# Altium PCB WIFI_HOME_SECURITY_SYS-V01.PcbDoc (part 2 of 3)
Units mil, origin at the board's own origin, x right, y up, seen from the top; angles counter-clockwise.
Board outline 3677.17 x 3783.46 mil, 4 copper layers (Top Layer, Int1 (GND), Int2 (PWR), Bottom Layer), stack 53.912 mil thick; 126 components, 88 nets, 455 pads, 131 vias.
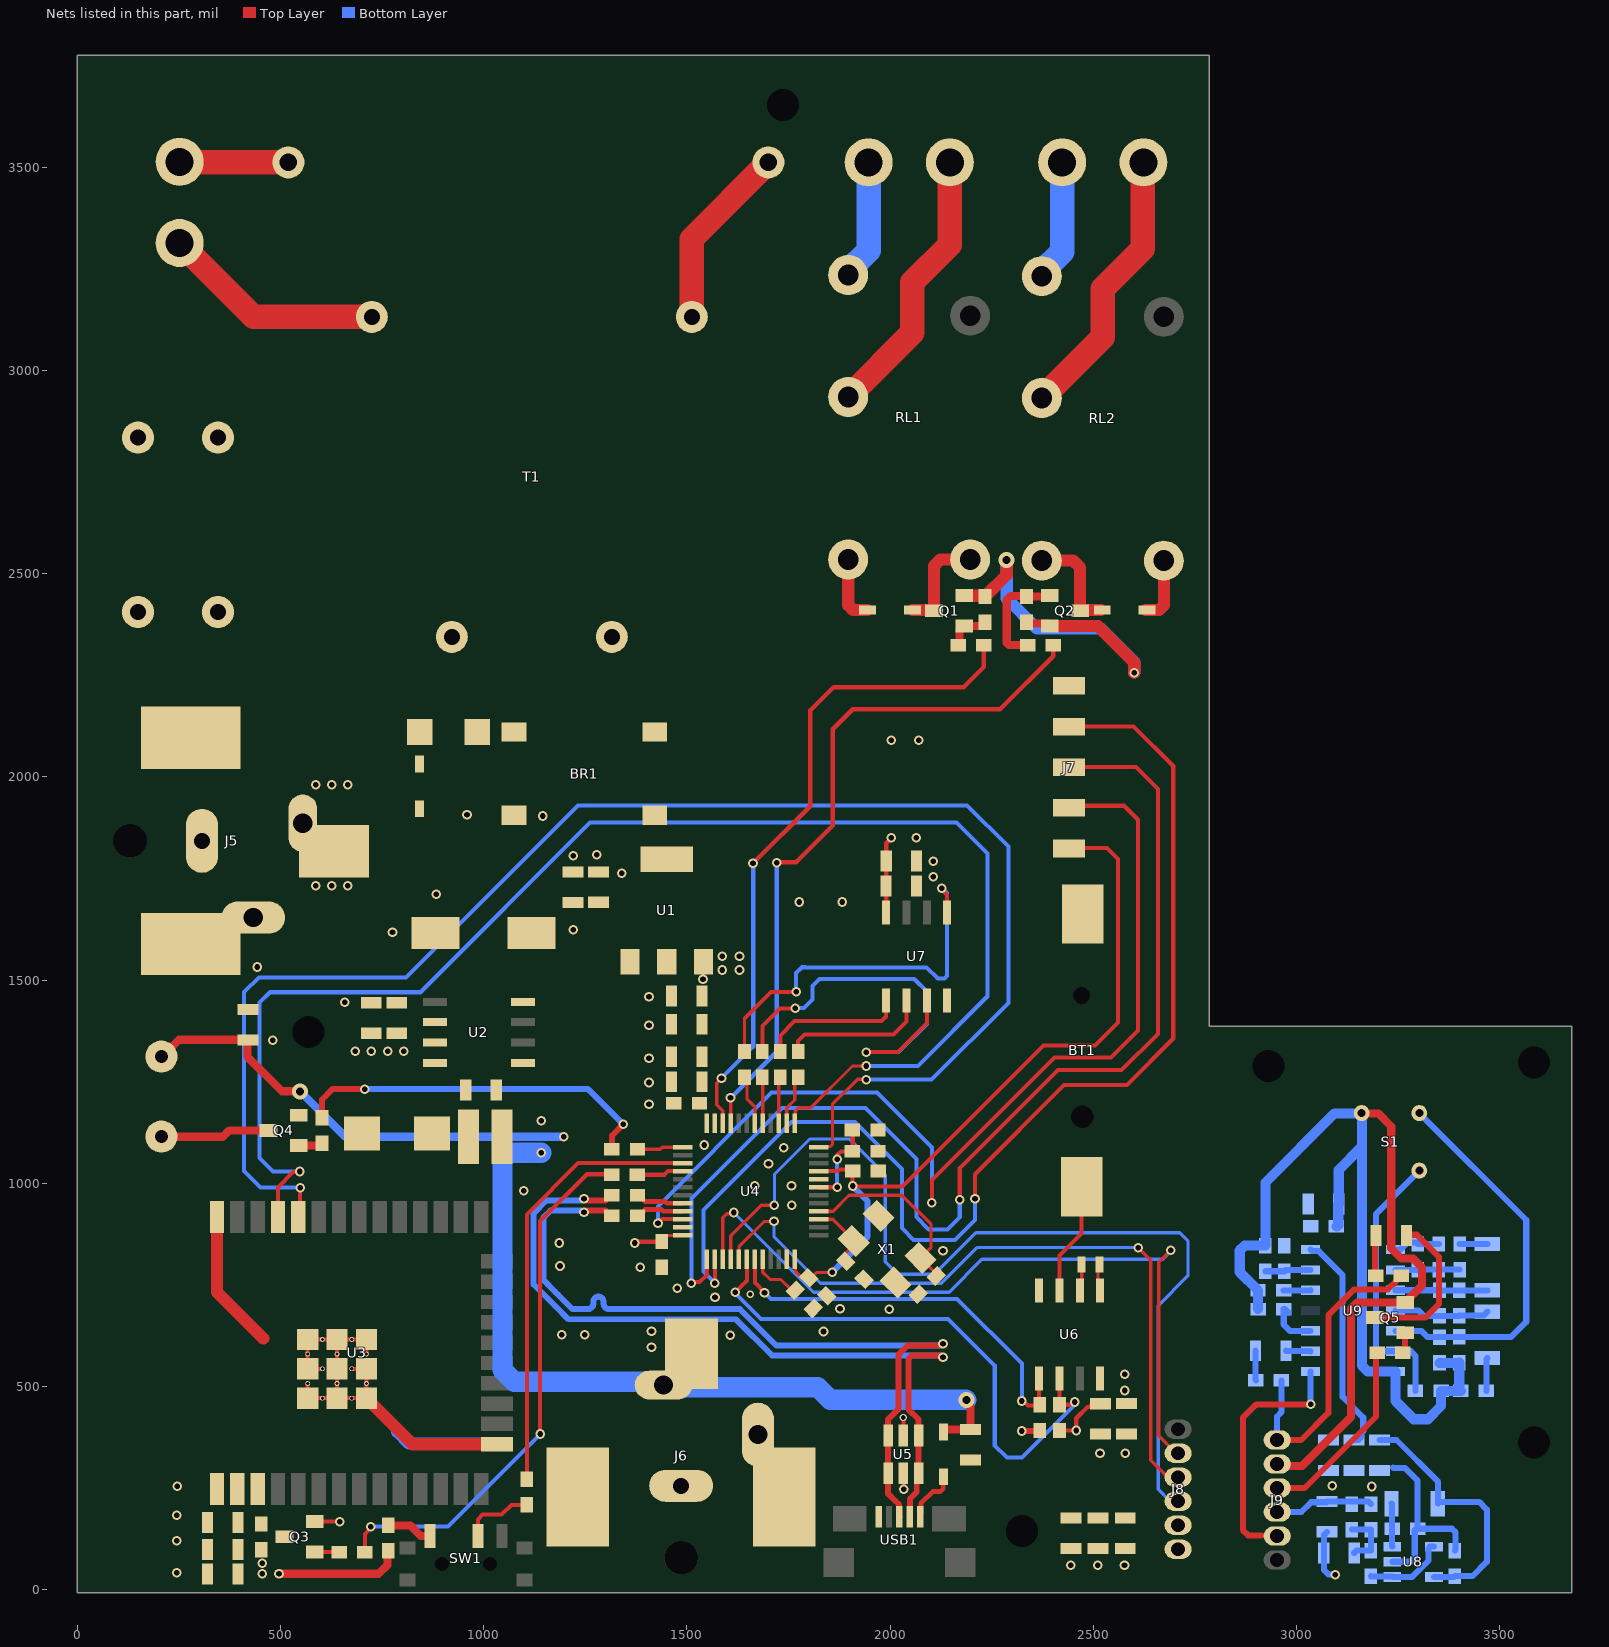
[diagram p4: the nets of this part, all layers, seen from the top]

## Part data (continued)
U9: library part NCS36000, "PIR Controller Low Noise Amplifiers and LDO Regulator 14-Pin SOIC N T/R", Case/Package=SOIC, Manufacturer="ON Semiconductor", Max Operating Temperature=85°C, Max Supply Voltage=5.75V, Min Operating Temperature=-40°C, Min Supply Voltage=3V, Operating Supply Current=50uA, Package Quantity=1, Quiescent Current=20uA, Supplier Part Number 1=NCS36000DRGOSCT-ND, Category="Amplifiers - Op Amps, Buffer, Instrumentation", ComponentLink1Description=https://datasheet.ciiva.com/1781/ncs36000-d-1781637.pdf?src-supplier=Digi-Key, ComponentLink1URL=https://datasheet.ciiva.com/1781/ncs36000-d-1781637.pdf?src-supplier=Digi-Key, ComponentLink2Description=https://datasheet.ciiva.com/4763/ncs36000-d-89569-4763639.pdf?src-supplier=Mouser, ComponentLink2URL=https://datasheet.ciiva.com/4763/ncs36000-d-89569-4763639.pdf?src-supplier=Mouser, ComponentLink3Description=https://datasheet.ciiva.com/1781/ncs36000-d-1781638.pdf?src-supplier=Digi-Key, ComponentLink3URL=https://datasheet.ciiva.com/1781/ncs36000-d-1781638.pdf?src-supplier=Digi-Key, ComponentLink4Description=https://datasheet.ciiva.com/1781/ncs36000-d-1781639.pdf?src-supplier=Digi-Key, ComponentLink4URL=https://datasheet.ciiva.com/1781/ncs36000-d-1781639.pdf?src-supplier=Digi-Key, ComponentLink5Description=https://datasheet.ciiva.com/26166/ncs36000-d-26166711.pdf?src-supplier=Avnet+Europe, ComponentLink5URL=https://datasheet.ciiva.com/26166/ncs36000-d-26166711.pdf?src-supplier=Avnet+Europe, ComponentLink6Description=https://datasheet.ciiva.com/2965/ncs36000-d-2965212.pdf?src-supplier=Avnet, ComponentLink6URL=https://datasheet.ciiva.com/2965/ncs36000-d-2965212.pdf?src-supplier=Avnet, ComponentLink7Description=https://datasheet.ciiva.com/2966/ncs36000-d-2966525.pdf?src-supplier=Avnet, ComponentLink7URL=https://datasheet.ciiva.com/2966/ncs36000-d-2966525.pdf?src-supplier=Avnet, Designed by=M.HamzaLimanlar, Halogen Free="Halogen Free", Height=1.5mm, Input Type=DIGITAL, Lead Free="Lead Free", Length=8.75mm, Manufacturer Part Number=NCS36000DRG, Number of Pins=14, Output Type=Digital, Packaging="Tape and Reel", Pricing 1="1=1,00000, 10=0,89400, 25=0,84880, 100=0,65180, 250=0,57600, 500=0,54568, 1000=0,42442 (USD)", Radiation Hardening=No, REACH SVHC="No SVHC", RoHS=Yes, RoHS Compliant=Yes, Series=-, Stock 1=36750, Supplier 1=Digi-Key, Width=4mm
USB1: library part "Micro B USB Connector", "CONN RCPT USB2.0 MICRO B SMD R/A", Color=Black, Current Rating=1.8A, Flammability Rating="UL94 V-0", Insulation Resistance=1GR, Manufacturer="Amphenol FCI", Max Operating Temperature=85°C, Max Voltage Rating (AC)=100V, Min Operating Temperature=-55°C, Package Quantity=1400, Supplier Part Number 1=609-4613-2-ND, Category="USB Connectors", ComponentLink1Description=https://datasheet.ciiva.com/26853/getdatasheetpartid-418041-26853891.pdf?src-supplier=Verical, ComponentLink1URL=https://datasheet.ciiva.com/26853/getdatasheetpartid-418041-26853891.pdf?src-supplier=Verical, ComponentLink2Description=https://datasheet.ciiva.com/851/10118192-851112.pdf?src-supplier=Digi-Key, ComponentLink2URL=https://datasheet.ciiva.com/851/10118192-851112.pdf?src-supplier=Digi-Key, ComponentLink3Description=https://datasheet.ciiva.com/4598/10118192ac-197249-4598796.pdf?src-supplier=Mouser, ComponentLink3URL=https://datasheet.ciiva.com/4598/10118192ac-197249-4598796.pdf?src-supplier=Mouser, Connector Type=USB,Receptacle, Contact Material="Copper Alloy", Contact Plating=Gold, Depth=5.57mm, Designed by=M.HamzaLimanlar, Features=Shielded, Gender=Receptacle, Housing Material=Polymer, Lead Free="Lead Free", Length=7.86mm, Manufacturer Part Number=10118192-0001LF, Mount="Surface Mount,Horizontal", Number of Contacts=5, Number of Ports=1, Number of Terminals/Pins=5, Orientation="Right Angle", Packaging="Tape and Reel", Pitch=0.65mm, Pricing 1="1400=0,22558, 2800=0,20624, 7000=0,19335, 9800=0,18046, 14000=0,17402, 35000=0,17144 (USD)", Radiation Hardening=No, REACH SVHC="No SVHC", RoHS=Yes, Stock 1=158200, Supplier 1=Digi-Key, Termination=Solder, USB Standard="USB 2.0", Voltage Rating=100V
X1: library part "CRYSTAL 16MHz", "CRYSTAL 16.0000MHZ 20PF SMD", Case/Package=SMD/SMT, ESR (Equivalent Series Resistance)=50R, Frequency=16MHz, Frequency Stability=50ppm, Frequency Tolerance=30ppm, Load Capacitance=20pF, Manufacturer="ECS International", Max Operating Temperature=70°C, Min Operating Temperature=-20°C, Package Quantity=1, Supplier Part Number 1=XC1120CT-ND, Category=Crystals, ComponentLink1Description=https://datasheet.ciiva.com/853/ecx-53b-853408.pdf?src-supplier=Digi-Key, ComponentLink1URL=https://datasheet.ciiva.com/853/ecx-53b-853408.pdf?src-supplier=Digi-Key, ComponentLink2Description=https://datasheet.ciiva.com/853/ecx-53b-853406.pdf?src-supplier=Digi-Key, ComponentLink2URL=https://datasheet.ciiva.com/853/ecx-53b-853406.pdf?src-supplier=Digi-Key, ComponentLink3Description=https://datasheet.ciiva.com/853/ecx-53b-853407.pdf?src-supplier=Digi-Key, ComponentLink3URL=https://datasheet.ciiva.com/853/ecx-53b-853407.pdf?src-supplier=Digi-Key, Designed by=M.HamzaLimanlar, Height=0.033inch, Lead Free="Lead Free", Length=0.197inch, Manufacturer Part Number=ECS-160-20-30B-TR, Mount="Surface Mount", Packaging="Tape and Reel", Pricing 1="1=1,33000, 10=1,26800, 50=1,23900, 100=1,06200, 500=1,03250 (USD)", RoHS=Yes, RoHS Compliant=Yes, Series=ECX-53B, Stock 1=15303, Supplier 1=Digi-Key, Termination=SMD/SMT, Tolerance=50ppm, Width=0.126inch
X2: library part "CRYSTAL 32768kHZ", "Crystal, 32.768 kHz, SMD, 1.6mm x 1mm, 12.5 pF, 20 ppm, ABS05 Series", Case/Package=SMD/SMT, ESR (Equivalent Series Resistance)=90kR, Frequency=32.768kHz, Frequency Tolerance=20ppm, Load Capacitance=12.5pF, Manufacturer=Abracon, Max Operating Temperature=85°C, Min Operating Temperature=-40°C, Operating Frequency="32.768 kHz", Package Quantity=3000, Supplier Part Number 1=535-11899-1-ND, Category=Crystals, ComponentLink1Description=https://datasheet.ciiva.com/23810/abs05-23810480.pdf?src-supplier=Newark, ComponentLink1URL=https://datasheet.ciiva.com/23810/abs05-23810480.pdf?src-supplier=Newark, ComponentLink2Description=https://datasheet.ciiva.com/6728/abs05-6728949.pdf?src-supplier=Digi-Key, ComponentLink2URL=https://datasheet.ciiva.com/6728/abs05-6728949.pdf?src-supplier=Digi-Key, ComponentLink3Description=https://datasheet.ciiva.com/6728/abs05-6728950.pdf?src-supplier=Digi-Key, ComponentLink3URL=https://datasheet.ciiva.com/6728/abs05-6728950.pdf?src-supplier=Digi-Key, ComponentLink4Description=https://datasheet.ciiva.com/16411/abs05-16411149.pdf?src-supplier=Future+Electronics, ComponentLink4URL=https://datasheet.ciiva.com/16411/abs05-16411149.pdf?src-supplier=Future+Electronics, Depth=1mm, Designed by=M.HamzaLimanlar, Height=0.02inch, Lead Free="Lead Free", Length=1.6mm, Manufacturer Part Number=ABS05-32.768KHZ-T, Mount="Surface Mount", Number of Pins=2, Packaging="Tape and Reel", Pricing 1="1=1,16000, 10=1,02500, 50=0,95760, 100=0,84630, 500=0,80180, 1000=0,66816 (USD)", Radiation Hardening=No, REACH SVHC="No SVHC", RoHS=Yes, RoHS Compliant=Yes, Series=ABS05, Series Resistance=90kR, Stock 1=180522, Supplier 1=Digi-Key, Termination=SMD/SMT, Tolerance=20ppm, Width=0.039inch

## Free pads (board coordinates)
  round 60 hole 78.74 unplated: ""(569.69,1372.24) ""(1737.2,3652.95) ""(2324.8,143.7) ""(2930.91,1288.98) ""(3584.84,361.61) ""(3584.84,1297.24)

## Via types
v1: diameter 23.62, hole 13.78, Top Layer to Bottom Layer, tented both sides, 125 vias
v2: diameter 39.37, hole 19.68, Top Layer to Bottom Layer, tented both sides, 3 vias
v3: diameter 17.72, hole 11.81, Top Layer to Bottom Layer, tented both sides, 2 vias
v4: diameter 23.62, hole 13.78, Top Layer to Bottom Layer, tented top, 1 vias

## Nets (pads, with @x,y where several pads share a name; then routed paths per layer and width w, separated by ;. In a path a pad name is that pad's centre, name@x,y a point inside that pad or via, vN(x,y) a via of type N, cw(c..) or ccw(c..) an arc to the next point about the centre after c; other vN are vias at no path point)
3V3DC: C3.2 C4.2 C10.2 C11.2 C13.2 C15.2 C17.2 C20.2 C21.2 C22.2 C24.2 C25.2 C26.2 C27.2 C28.2 C29.2 C30.2 C31.2 J7.1 J8.1 R9.1 R15.1 R16.1 R17.1 U1.3 U3.2 U4.9 U4.24 U4.36 U4.48 U5.5 U6.8 U7.8 | length 2725.9
  Top Layer w8: C25.2@1437.99,856.5 1437.99,859.96 1449.49,871.46 1489.57,871.46 U4.36@1490.16,872.05 ; U4.48@1765.75,812.99 1767.32,811.42 1767.32,783.46 1783.51,767.27 C26.2@1799.73,767.27 ; C26.2@1802.07,764.8 1803.66,764.8 1819.06,780.2 1856.58,780.2 v1(1857.68,781.3)
  Top Layer w10: U4.9@1824.8,1029.53 1872.05,1029.53 1875.98,1033.46 1904.33,1033.46 C27.2@1907.87,1029.92 ; C27.2@1905.7,1027.75 1907.87,1025.58 v1(1907.87,993.01) ; v1@1907.87,988.98 v1(1907.87,993.01) ; R16.1@2420.67,391.54 v1(2458.27,391.54) 2458.27,421.63 2485.73,449.09 2489.99,449.09 2498.3,457.4 C29.2@2518,457.4 ; J7.1@2440.94,1823.62 2442.32,1825 2533.66,1825 2561.22,1797.44 2561.22,1395.08 2504.92,1338.78 2377.56,1338.78 2031.1,992.32 1908.56,992.32 v1(1907.87,993.01)
  Top Layer w11: v1(1371.65,852.95) 1375.2,856.5 C25.2@1437.99,856.5 ; U7.8@1990.55,1666.14 1990.55,1731.1 C30.2@1990.35,1731.3 1990.35,1792.32 C28.2@1990.55,1792.52 1990.55,1836.81 v1(2003.35,1849.61) ; U5.5@2032.87,286.42 2033.26,286.03 2033.26,247.52 v1(2033.64,247.14)
  Top Layer w15: v1@2328.89,390.01 2367.12,390.01 R17.1@2368.11,391
  Top Layer w20: v1(496.46,38.98) 741.54,38.98 763.13,60.57 763.13,92.65 R15.1@765.55,95.07
  Bottom Layer w15: v1(1857.68,781.3) 1945.08,868.7 1945.08,955.8 v1(1907.87,993.01)
  other v1: 455.51,38.98 2445,60 2511,60 2577,60 455.51,64.57 2324.61,390.26 2578,490 2578,530 1539.86,1501.57 1587.6,1524.61 1629.72,1524.61 1587.6,1558.46 1629.72,1558.46
3V3DC_S: C40.2 C42.2 C43.2 C44.2 C45.2 C46.2 J9.1 R34.2 R35.2 R37.2 RT1.2 U8.5 U9.14 | length 1958.6
  Top Layer w15: J9.1@2952.76,368.11 3011.79,368.11 3078.88,435.2 3078.88,674.76 3142.71,738.58 3224.81,738.58 3246.57,760.35 3246.57,763.85 3254.57,771.85 R37.2@3258.07,771.85
  Bottom Layer w15: J9.1@2952.76,368.11 2952.36,368.5 2952.36,425.98 2963.19,436.82 R34.2@2963.19,514.96 ; U9.14@3034.65,836.61 3038.56,832.7 3055.06,832.7 3113.78,773.98 3113.78,474.02 3164.39,423.41 3164.39,390.76 3159.08,385.46 3159.08,374.39 3152.8,368.11 C45.2@3141.73,368.11 ; C46.2@3204.72,368.11 3246.26,368.11 3348.23,266.14 RT1.2@3348.23,211.42 3352.58,215.77 3449.78,215.77 3468.5,197.05 3468.5,68.31 3433.26,33.07 C40.2@3389.76,33.07 3387.8,31.1 U8.5@3338.58,31.1
5VDC: BZ1.2 C1.2 C2.2 C7.2 C14.1 C23.2 D3.1 J6.1 L1.2 U1.1 U2.4 | length 3090.6
  Top Layer w20: BZ1.2@207.28,1311.61 209.59,1311.61 250.93,1352.95 420.08,1352.95 C23.2@420.47,1352.56 420.47,1349.96 419.29,1348.78 419.29,1311.02 504.13,1226.18 v2(548.62,1226.18) ; D3.1@2131.3,387.8 2131.3,392.87 2132.13,393.7 C7.2@2198.23,393.7 2198.23,451.06 2187.89,461.39 v2(2187.89,466.63)
  Bottom Layer w20: v2(548.62,1226.18) 660.63,1114.17 v1(1196.85,1114.17)
  Bottom Layer w50: v1(1141.73,1074.8) 1046.89,1074.8 1046.46,1074.37 1046.46,541.1 1075.75,511.81 1442.75,511.81 J6.1@1451.19,503.37 ; J6.1@1442.75,503.37 1446.74,499.37 1496.93,499.37 1498.08,498.23 1821.97,498.23 1852.88,467.32 2187.2,467.32 v2(2187.89,466.63)
  other v1: 1141.73,1153.54
12VDC: C8.2 C9.2 D1.1 D2.1 D7.1 J5.1 RL1.5 RL2.4 U2.7 | length 324.9
  Top Layer w30: RL1.5@1897.24,2534.63 1897.24,2422.28 1908.96,2410.57 1944.73,2410.57 D1.1@1944.88,2410.41 ; D2.1@2628.74,2410.43 2662.3,2410.43 2674.02,2422.15 2674.02,2531.5 RL2.4@2673.62,2531.89
  other v1: 684.65,1324.21 724.02,1324.21 763.98,1324.21 803.35,1324.21 586.61,1732.28 625.98,1732.28 665.35,1732.28 586.61,1980.32 625.98,1980.32 665.35,1980.32
AC_LINE_1: J2.1 R2.1 | length 268.4
  Top Layer w60: J2.1@251.97,3513.39 252.76,3512.6 518.9,3512.6 R2.1@519.69,3511.81
AC_LINE_2: J2.2 T1.5 | length 548.3
  Top Layer w60: J2.2@251.97,3313.39 433.77,3131.58 T1.5@724.92,3131.58
BUZZER: R12.2 R13.1 | length 905.4
  Top Layer w15: R13.1@602.36,1161.42 602.36,1205.86 628,1231.5 v1(707.68,1231.5) ; R12.2@1315.74,1083.46 1316.14,1083.86 1316.14,1117.33 1343.7,1144.89 v1(1343.7,1145.08)
  Bottom Layer w15: v1(707.68,1231.5) 1257.28,1231.5 v1(1343.7,1145.08)
GND: BR1.4 BT1.2 C1.1 C2.1 C3.1 C4.1 C5.2 C6.2 C7.1 C8.1 C9.1 C10.1 C11.1 C13.1 C14.2 C15.1 C16.1 C17.1 C18.1 C19.2 C20.1 C21.1 C22.1 C23.1 C24.1 C25.1 C26.1 C27.1 C28.1 C29.1 C30.1 C31.1 D4.A J5.2 J5.3 J6.2 J6.3 J7.5 J8.2 Q1.2 Q2.2 Q3.2 Q4.2 R3.1 R5.1 R6.1 R7.1 U1.2 U2.6 U3.1 U3.15 U3.38 U3.39 U4.8 U4.23 U4.35 U4.47 U5.2 U6.4 U7.4 USB1.5 X1.2 X1.4 | length 2758.7
  Top Layer w10: U3.39@567.13,507.19 U3.39@567.13,471.06 U3.39@603.25,471.06 U3.39@639.37,471.06 ; Q3.2@584.45,167.32 646.06,167.32 v1(646.46,166.93) ; U3.39@603.25,543.31 U3.39@567.13,543.31 U3.39@567.13,579.43 U3.39@567.13,615.55 U3.39@603.25,615.55 U3.39@639.37,615.55 ; U3.39@675.49,543.31 U3.39@711.61,543.31 U3.39@711.61,507.19 U3.39@711.61,471.06 U3.39@675.49,471.06 U3.39@639.37,471.06 ; U3.39@711.61,579.43 U3.39@711.61,615.55 U3.39@675.49,615.55 U3.39@639.37,615.55 ; v3(2032.63,423.28) 2032.75,423.15 2032.75,379.06 U5.2@2032.87,378.94 ; U3.39@639.37,471.06 U3.39@639.37,507.19 U3.39@639.37,543.31 U3.39@639.37,579.43 U3.39@639.37,615.55
  Top Layer w20: R5.1@2335.97,2380.66 2339.66,2376.97 2387.7,2376.97 Q2.2@2393.3,2371.37
  Top Layer w30: U3.38@344.09,917.32 344.09,731.5 457.78,617.81 ; U3.39@711.61,471.06 722.8,459.88 825,357.68 U3.15@1033.46,357.68 ; Q1.2@2182.76,2446.17 2183.51,2445.43 2233.26,2445.43 2233.76,2444.93 R3.1@2233.76,2443.66 2287.2,2497.1 v2(2287.2,2533.46) ; Q2.2@2393.3,2371.37 2436.6,2371.37 2436.94,2371.03 2511.46,2371.03 2601.18,2281.3 v1(2601.18,2256.5)
  Bottom Layer w30: 787.56,388.46 816.57,359.45 994.69,359.45 ; v2(2287.2,2533.46) 2287.2,2439.37 2362.01,2364.57 2519.29,2364.57 2601.18,2282.68 v1(2601.18,2256.5)
  other v1: 244.73,41.73 244.73,119.93 244.73,183.16 246.46,253.94 2516.73,335.04 2578.74,335.04 1413.19,596.06 1607.09,626.18 1191.93,626.97 1248.43,626.97 1836.42,635.04 1413.19,636.02 1998.23,689.76 1876.97,691.14 1569.29,718.9 1476.57,741.54 1385.24,792.72 1187.99,796.26 2130.32,834.25 1186.61,852.95 1758.07,945.47 1098.62,981.5 1667.32,993.9 1757.68,993.9 1700.98,1047.44 1738.39,1087.4 1543.31,1093.9 1406.89,1194.68 1406.89,1247.83 1406.89,1307.09 481.5,1351.97 1406.89,1388.39 658.07,1445.28 1406.89,1458.46 443.31,1531.89 775.79,1617.13 1220.28,1623.43 1776.46,1691.98 1882.68,1691.93 883.46,1710.63 2106.69,1754.53 1339.76,1762.99 2106.69,1792.52 1221.06,1805.91 1278.54,1808.07 2064.37,1849.61 1145.67,1903.54 959.25,1906.3 2003.35,2089.76 2070.28,2089.76
  other v3: 1655.91,726.57
GND_S: C35.1 C37.1 C38.1 C39.1 C40.1 C41.1 C42.1 C43.1 C44.1 C45.1 C46.1 J9.2 Q5.2 R23.1 R24.1 R29.1 R32.1 R33.1 S1.3 U8.2 U9.7 | length 3872.6
  Top Layer w20: J9.2@2952.76,309.06 2957.01,304.8 2982.58,304.8 2982.86,304.53 3014.08,304.53 3134.36,424.8 3134.36,692.05 3149,706.69 Q5.2@3267.52,706.69 3309.06,748.23 3309.06,792.72 3286.62,815.15 3257.86,815.15 3233.36,839.65 3233.36,1139.48 3201.77,1171.06 3167.45,1171.06 S1.3@3162.36,1176.15
  Bottom Layer w15: C39.1@3075.39,142.13 3067.52,134.25 C37.1@3067.52,90.16 3067.52,48.82 3079.33,37.01 v1(3095.67,37.01) ; U8.2@3236.22,68.5 3282.35,68.5 3291.14,77.29 3291.14,146.02 3294.93,149.8 R24.1@3298.43,149.8 ; 3237.8,300 3238.46,299.33 3267.01,299.33 3298.43,267.91 R24.1@3298.43,149.8 ; C40.1@3389.76,96.07 3391.54,97.84 3391.54,141.02 3382.75,149.8 R24.1@3298.43,149.8
  Bottom Layer w25: R32.1@2905.9,690.16 2905.7,690.35 2905.7,736.02 R33.1@2905.51,736.22 2860.63,781.1 2860.63,834.74 2872.35,846.46 C41.1@2923.82,846.46 2923.82,1001.77 3093.9,1171.85 S1.3@3160.63,1171.85 ; C42.1@3098.43,893.7 3099.85,893.7 3102.85,896.7 3102.85,947.74 C43.1@3104.13,949.02 3104.13,1032.48 3161.02,1089.37 ; S1.3@3161.02,1171.85 3161.02,1089.37 ; C38.1@3352.17,557.87 3399.8,557.87 R29.1@3400.59,558.66 3400.59,491.98 R23.1@3403.59,488.98 ; R23.1@3404.52,488.98 R23.1@3403.59,488.98 ; 3161.02,1089.37 3161.02,551.26 3175.67,536.61 U9.7@3244.09,536.61 3244.09,463.78 3288.58,419.29 3323.62,419.29 3355.91,451.58 C35.1@3355.91,488.98 R23.1@3403.59,488.98
  other v1: 3185.63,253.74 3087.8,255.91
LED_DRIVER: J8.3 U4.40 | length 2354.7
  Top Layer w8: U4.40@1608.27,812.99 1608.27,870.47 1683.27,945.47 v1@1710.63,945.47
  Bottom Layer w8: v1(1715.55,945.47) 1715.55,1021.46 1803.15,1109.06 1899.61,1109.06 1988.19,1020.47 1988.19,806.5 2018.5,776.18 2109.25,776.18 2211.42,878.35 2712.8,878.35 2733.07,858.07 2733.07,772.05 2660,698.98 2660,246.89 2687.57,219.32 J8.3@2727.2,219.32
LED_S: J9.3 R36.1 | length 474.2
  Top Layer w15: J9.3@2952.76,250 3020.28,250 3196.26,425.98 3196.26,580.12 R36.1@3198.82,582.68
LIGHT_1_GND: J3.2 RL1.3 | length 297.9
  Bottom Layer w60: RL1.3@1897.24,3234.63 1897.24,3245.03 1947.24,3295.03 J3.2@1947.24,3511.81
LIGHT_1_VCC: J3.1 RL1.2 | length 680.7
  Top Layer w60: RL1.2@1897.24,2934.63 2055.12,3092.51 2055.12,3216.54 2147.24,3308.66 J3.1@2147.24,3511.81
LIGHT_2_GND: J4.2 RL2.3 | length 300.6
  Bottom Layer w60: RL2.3@2373.62,3231.89 2373.62,3242.29 2423.62,3292.29 J4.2@2423.62,3511.81
LIGHT_2_VCC: J4.1 RL2.2 | length 683.5
  Top Layer w60: RL2.2@2373.62,2931.89 2523.62,3081.89 2523.62,3200.79 2622.05,3299.21 2622.05,3510.24 J4.1@2623.62,3511.81
MCU_RLY_1: R1.1 U4.22 | length 1641.9
  Top Layer w8: v1(1585.43,1258.66) 1585.43,1257.62 1573.82,1246.01 1573.82,1227.7 1573.82,1193.31 1588.58,1178.54 U4.22@1588.58,1147.64
  Top Layer w11: v1(1662.97,1787.03) 1803.74,1927.79 1803.74,2163.19 1861.02,2220.47 2180.91,2220.47 2230.84,2270.41 R1.1@2230.84,2323.87
  Bottom Layer w11: v1(1585.43,1258.66) 1662.97,1336.2 v1(1662.97,1787.03)
MCU_RLY_2: R4.1 U4.21 | length 1743.9
  Top Layer w8: v1@1607.87,1209.84 1608.07,1209.65 1608.07,1147.83 U4.21@1608.27,1147.64
  Top Layer w11: v1@1721.46,1789.57 1768.9,1789.57 1859.45,1880.12 1859.45,2116.73 1908.66,2165.94 2270.87,2165.94 2401.58,2296.66 R4.1@2401.58,2323.87
  Bottom Layer w11: v1@1607.87,1209.84 1721.46,1323.43 v1(1721.46,1788.39)
  other v1: 1607.59,1209.78
MCU_USB_N: R10.1 U4.32 | length 119.4
  Top Layer w12: R10.1@1378.74,970 1382.24,970 1397.4,954.84 1446.48,954.84 1450.54,950.79 U4.32@1490.16,950.79
MCU_USB_P: R11.1 U4.33 | length 119.4
  Top Layer w12: R11.1@1378.74,920 1382.24,920 1397.4,935.16 1438.33,935.16 1442.38,931.1 U4.33@1490.16,931.1
NetBR1_1: BR1.1 T1.9
NetBR1_2: BR1.2 T1.7
NetBR1_3: BR1.3 F1.2 | length 0.3
  Top Layer w45: F1.2@984.25,2110.24 F1.2@984.35,2110.33 ; BR1.3@1074.7,2110.33 BR1.3@1074.8,2110.43
NetBT1_1: BT1.1 U6.3 | length 277.7
  Top Layer w10: U6.3@2417,736.27 2417,822.51 2471.26,876.77 2471.26,991.11 BT1.1@2471.52,991.37
NetBZ1_1: BZ1.1 Q4.3 | length 270.2
  Top Layer w20: BZ1.1@207.28,1114.76 207.87,1114.17 358.27,1114.17 374.02,1129.92 Q4.3@470.67,1129.92
NetC5_1: C5.1 C6.1 D7.2 F1.1
NetC12_1: C12.1 U2.1
NetC12_2: C12.2 D4.C L1.1 U2.8
NetC18_2: C18.2 U4.3 X1.3 | length 153.7
  Top Layer w8: U4.3@1824.8,911.42 1824.99,911.23 1858.85,911.23 X1.3@1905.87,864.21 ; C18.2@1886.73,823.27 1906.73,843.28 1906.73,862.34 X1.3@1910.79,858.28
NetC19_1: C19.1 U4.4 X1.1 | length 476
  Top Layer w8: U4.4@1824.8,931.1 1860.04,931.1 1899.13,970.2 2029.41,970.2 2100.98,898.62 2100.98,842.47 X1.1@2075.04,816.52 2114.06,777.5 C19.1@2114.06,771.55
NetC32_1: C32.1 C33.2 R25.1 U9.4 | length 236
  Bottom Layer w15: U9.4@3244.09,686.61 3300.59,686.61 3314.17,673.03 3399.54,673.03 R25.1@3400.58,674.08 3460.01,674.08 C33.2@3469.95,684.03
NetC32_2: C32.2 C34.2 R25.2 U9.3 | length 226.1
  Bottom Layer w15: U9.3@3244.09,736.61 3351.9,736.61 C32.2@3352.06,736.46 3469.84,736.46 C34.2@3470.05,736.24
NetC33_1: C33.1 R23.2 | length 81.9
  Bottom Layer w15: R23.2@3467.52,488.98 3467.52,567.42 C33.1@3469.95,569.85
NetC34_1: C34.1 R26.2 | length 68.5
  Bottom Layer w15: R26.2@3401.57,850.4 C34.1@3470.05,850.42
NetC35_2: C35.2 S1.1 U9.6 | length 671
  Bottom Layer w15: C35.2@3292.91,488.98 3292.91,575.2 3281.5,586.61 3204.85,586.61 3196.06,595.4 3196.06,924.61 S1.1@3302.36,1030.91
NetC36_1: C36.1 R27.1 U9.1 | length 114.9
  Bottom Layer w15: U9.1@3244.09,836.61 3255.91,836.61 3273.23,853.94 3295.13,853.94 C36.1@3298.67,850.4 R27.1@3350.39,850.4
NetC36_2: C36.2 R26.1 R27.2 U9.2 | length 157.8
  Bottom Layer w15: U9.2@3244.09,786.61 3297.88,786.61 C36.2@3298.67,787.4 R27.2@3350.39,787.4 R26.1@3401.57,787.4
NetC37_2: C37.2 R28.2 R30.1 R31.1 | length 142.2
  Bottom Layer w15: R30.1@3136.42,147.44 R31.1@3183.66,147.44 3183.07,146.85 R28.2@3183.07,95.87 3148.04,95.87 C37.2@3142.32,90.16
NetC38_2: C38.2 R29.2 S1.2 U9.5 | length 965.9
  Bottom Layer w15: U9.5@3244.09,636.61 3307.48,636.61 3322.44,621.65 3528.35,621.65 3565.55,658.86 3565.55,909.45 S1.2@3302.36,1172.64
NetC41_2: C41.2 R35.1 U9.13 | length 112.3
  Bottom Layer w15: C41.2@2923.82,783.46 2970.08,783.46 R35.1@2970.28,783.26 2973.63,786.61 U9.13@3034.65,786.61
NetD1_2: D1.2 Q1.3 RL1.4 | length 259.8
  Top Layer w30: D1.2@2055.12,2410.41 2106.72,2410.41 Q1.3@2108.36,2408.77 2108.36,2518.99 2124.41,2535.04 2196.84,2535.04 RL1.4@2197.24,2534.63
NetD2_2: D2.2 Q2.3 RL2.5 | length 259.5
  Top Layer w30: RL2.5@2373.62,2531.89 2374.21,2532.48 2450.59,2532.48 2467.71,2515.36 Q2.3@2467.71,2408.77 2468.46,2409.52 2484.64,2409.52 2485.56,2410.43 D2.2@2518.5,2410.43
NetD3_2: D3.2 USB1.1 | length 133.1
  Top Layer w12: USB1.1@2073.82,186 2076.09,188.27 2076.09,212.11 2105.09,241.12 2123.88,241.12 2130.91,248.15 D3.2@2130.91,284.42
NetD5_1: D5.1 U9.9 | length 60.7
  Bottom Layer w15: D5.1@2974.41,587.8 2975.39,586.81 3034.45,586.81 U9.9@3034.65,586.61
NetD5_2: D5.2 R34.1 | length 73.1
  Bottom Layer w15: D5.2@2899.61,587.8 2899.61,515.55 R34.1@2900.19,514.96
NetD6_1: D6.1 Q5.3 | length 392.4
  Top Layer w15: Q5.3@3193.11,669.29 3317.32,669.29 3350.39,702.36 3350.39,818.9 3296.19,873.1 3270.54,873.1 D6.1@3268.7,871.26
NetD6_2: D6.2 R37.1 | length 99.4
  Top Layer w15: R37.1@3193.31,771.85 D6.2@3193.31,871.26
NetQ1_1: Q1.1 R1.2 R3.2 | length 110.4
  Top Layer w20: R1.2@2167.84,2323.87 2171.26,2327.29 2171.26,2363.12 2179.51,2371.37 2224.48,2371.37 R3.2@2233.76,2380.66
NetQ2_1: Q2.1 R4.2 R5.2 | length 270.6
  Top Layer w20: R4.2@2338.58,2323.87 2293.26,2323.87 2287.4,2329.73 2287.4,2435.63 2296.46,2444.68 2334.95,2444.68 R5.2@2335.97,2443.66 2390.78,2443.66 Q2.1@2393.3,2446.17
NetQ3_1: Q3.1 R8.2 | length 60.8
  Top Layer w10: Q3.1@584.45,92.52 643.89,92.52 R8.2@644.88,91.54
NetQ4_1: Q4.1 R13.2 | length 59.7
  Top Layer w20: Q4.1@545.08,1092.52 596.46,1092.52 R13.2@602.36,1098.42
NetQ5_1: Q5.1 R36.2 | length 51.6
  Top Layer w15: R36.2@3261.82,582.68 3267.52,588.38 Q5.1@3267.52,631.89
NetR2_2: R2.2 T1.1 | length 458.3
  Top Layer w60: T1.1@1512.32,3131.58 1512.32,3323.35 R2.2@1700.79,3511.81
NetR7_2: R7.2 U4.44 | length 130.2
  Top Layer w8: U4.44@1687.01,812.99 1687.01,780.99 1705,763 1731.69,763 1758.41,736.27 R7.2@1766.73,736.27
NetR12_1: R12.1 U4.25 | length 111.9
  Top Layer w8: R12.1@1380.42,1083.46 1434.84,1083.46 1439.96,1088.58 U4.25@1490.16,1088.58
NetR14_1: R14.1 U4.28 | length 115.4
  Top Layer w10: R14.1@1378.35,1020.87 1445.28,1020.87 1453.94,1029.53 U4.28@1490.16,1029.53
NetR15_2: R15.2 SW1.1 | length 113.4
  Top Layer w20: R15.2@765.55,158.07 765.95,157.68 819.69,157.68 845.47,131.89 SW1.1@868.11,131.89
NetR18_1: R18.1 SW1.2 | length 176
  Top Layer w10: SW1.2@986.22,131.89 986.22,173.03 997.83,184.65 1044.49,184.65 1068.5,208.66 R18.1@1106.3,208.66
NetR19_1: R19.1 U7.1 | length 358.7
  Top Layer w10: R19.1@1730.32,1324.02 1730.32,1363.78 1765.16,1398.62 1979.13,1398.62 1990.16,1409.65 1990.16,1449.21 U7.1@1990.55,1449.61
NetR20_1: R20.1 U7.3 | length 1036.5
  Top Layer w10: R20.1@1686.02,1324.02 1686.02,1387.2 1685.93,1387.3 1728.87,1430.25 1766.47,1430.25 v1(1767.13,1430.91) ; v1(1941.93,1322.64) 2019.49,1322.64 2090.55,1393.7 U7.3@2090.55,1449.61
  Bottom Layer w10: v1(1767.13,1430.91) 1788.39,1430.91 1809.69,1452.21 1809.69,1485.28 1826.57,1502.17 2059.65,1502.17 2090.55,1471.26 2090.55,1391.93 2021.26,1322.64 v1@1943.7,1322.64
NetR21_1: R21.1 U7.2 | length 364.4
  Top Layer w10: R21.1@1774.02,1324.02 1774.02,1349.61 1790.16,1365.75 2009.06,1365.75 2040.75,1397.44 2040.75,1449.41 U7.2@2040.55,1449.61
NetR22_1: R22.1 U7.5 | length 959.2
  Top Layer w8: R22.1@1641.93,1324.02 1641.93,1405.51 1643.22,1406.8
  Top Layer w10: 1643.22,1406.8 1707.05,1470.63 1768.06,1470.63 v1@1768.5,1471.07 ; v1(2127.76,1725.98) 2127.76,1722.3 2140.55,1709.5 U7.5@2140.55,1666.14
  Bottom Layer w10: v1@1768.5,1471.07 1768.5,1516.73 1783.16,1531.39 1791.45,1531.39 1791.73,1531.1 2090.16,1531.1 2117.52,1503.74 2134.3,1503.74 2140.16,1509.6 2140.16,1713.58 v1(2127.76,1725.98)
  other v1: 1769.39,1471.05
NetR24_2: R24.2 RT1.1 U8.3 | length 106.4
  Bottom Layer w15: RT1.1@3234.06,211.42 3235.43,210.04 R24.2@3235.43,149.8 3235.43,106.7 U8.3@3236.22,105.91
NetR28_1: R28.1 U8.1 U8.4 | length 204.8
  Bottom Layer w15: R28.1@3183.07,32.87 3184.05,31.89 3235.43,31.89 U8.1@3236.22,31.1 3284.61,31.1 3325.1,71.59 3325.1,101.59 3329.42,105.91 U8.4@3338.58,105.91
NetR32_2: R32.2 U9.10 | length 125.1
  Bottom Layer w15: R32.2@2980.4,682.16 2972.4,690.16 R32.2@2968.9,690.16 2968.9,651.96 2984.06,636.81 3034.45,636.81 U9.10@3034.65,636.61
NetR33_2: R33.2 U9.12 | length 66.3
  Bottom Layer w15: R33.2@2968.51,736.22 3034.25,736.22 U9.12@3034.65,736.61
NetU6_1: U6.1 X2.2 | length 66.8
  Top Layer w8: X2.2@2514.96,799.61 2511.81,796.46 2511.81,741.46 U6.1@2517,736.27
NetU6_2: U6.2 X2.1 | length 65.6
  Top Layer w8: U6.2@2467,736.27 2472.05,741.31 2472.05,799.21 X2.1@2471.65,799.61
NRST: C16.2 R6.2 U4.7 | length 218.8
  Top Layer w10: U4.7@1824.8,990.16 1824.96,990 1869.96,990 v1(1870,990.04) ; v4(1869.88,1059.06) 1869.88,1068.92 1879.36,1078.4 1907.06,1078.4 1908.33,1079.67 1908.33,1130.17 R6.2@1907.5,1131
  Bottom Layer w10: v4(1869.88,1059.06) 1869.94,1058.99 1869.94,990.1 v1(1870,990.04)
PIR_DETECT: J9.5 U9.8 | length 588.9
  Top Layer w15: 2914.37,133.46 2881.5,133.46 2868.5,146.46 2868.5,423.03 2901.33,455.85 v1(3035.04,455.85)
  Bottom Layer w15: U9.8@3034.65,536.61 3035.04,536.22 v1(3035.04,455.85)
PIR_DETECTOR: J8.5 U4.39 | length 1868.3
  Top Layer w8: U4.39@1588.58,812.99 1588.58,914.96 1598.59,924.96 1612.76,924.96 v1(1615.75,927.95) ; v1(2690.94,834.87) 2661.45,805.38 2661.45,379.01 2704.93,335.54 J8.5@2708.92,335.54
  Bottom Layer w8: v1(1615.75,927.95) 1811.81,731.89 2145.28,731.89 2226.18,812.8 2670.87,812.8 2690.94,832.87 v1(2690.94,834.87)
RTC_SCL: R16.2 U4.42 U6.6 | length 1385.4
  Top Layer w10: v1(1618.9,731.3) 1647.64,760.04 U4.42@1647.64,812.99 ; U6.6@2417,519.73 2417,458.2 R16.2@2420.67,454.53 ; R16.2@2417.13,454.53 R16.2@2420.67,454.53 ; v1(2454.12,461.73) 2450.43,461.73 2443.62,454.92 2421.06,454.92 R16.2@2420.67,454.53
  Bottom Layer w10: v1@1614.82,733.41 1682.48,665.75 2143.11,665.75 2257.68,551.18 2257.68,354.53 2287.6,324.61 2324.61,324.61 2451.51,451.51 2451.51,459.13 v1(2454.12,461.73)
RTC_SDA: R17.2 U4.43 U6.5 | length 1003.9
  Top Layer w10: U4.43@1667.32,812.99 1667.52,812.8 1667.52,755.12 v1@1691.34,731.3 ; v1(2324.61,463.98) 2328.29,463.98 2339.51,452.76 2365.88,452.76 2367,453.87 U6.5@2367,519.73 U6.5@2367.72,519.02
  Bottom Layer w10: v1@1691.34,731.3 1707.48,715.16 2165.35,715.16 2324.61,555.91 v1(2324.61,463.98)
  other v1: 1691.3,730.66
SENSOR_ON/OFF: R18.2 U4.27 | length 1087.7
  Top Layer w10: R18.2@1106.3,271.66 1106.3,923.43 1232.09,1049.21 U4.27@1490.16,1049.21
SWCLK: J7.3 U4.37 | length 2853.8
  Top Layer w10: v1(1511.42,754.13) 1514.02,756.74 1531.74,756.74 1549.21,774.21 U4.37@1549.21,812.99 ; v1(2171.65,959.06) 2171.65,1037.01 2412.8,1278.15 2569.88,1278.15 2659.06,1367.32 2659.06,1970.28 2605.71,2023.62 J7.3@2440.94,2023.62
  Bottom Layer w10: v1(1511.42,754.13) 1511.42,962.2 1734.45,1185.24 1939.88,1185.24 2065.2,1059.92 2065.2,916.5 2095.28,886.42 2141.73,886.42 2171.65,916.34 v1(2171.65,959.06)
SWDIO: J7.2 U4.34 | length 2509.1
  Top Layer w10: v1(1429.13,901.18) 1439.37,911.42 U4.34@1490.16,911.42 ; v1(2102.95,951.97) 2102.95,1007.68 2404.33,1309.06 2544.09,1309.06 2610.63,1375.59 2610.63,1894.29 2576.18,1928.74 2446.06,1928.74 J7.2@2440.94,1923.62
  Bottom Layer w10: v1(1429.13,901.18) 1429.13,943.11 1708.86,1222.83 1967.72,1222.83 2102.95,1087.6 v1(2102.95,951.97)
TDI: J7.4 U4.38 | length 2939.4
  Top Layer w10: v1(1568.9,754.13) U4.38@1568.9,812.99 ; v1(2209.06,961.42) 2209.06,1022.05 2428.54,1241.54 2582.87,1241.54 2696.98,1355.64 2696.98,2026.05 2599.41,2123.62 J7.4@2440.94,2123.62
  Bottom Layer w10: v1(1568.9,754.13) 1540.76,782.28 1540.76,933.67 1757.87,1150.79 1913.98,1150.79 2029.33,1035.43 2029.33,889.57 2058.21,860.68 2159.9,860.68 2209.06,909.84 v1(2209.06,961.42)
TEMP_ADC: C39.2 J9.4 R30.2 R31.2 | length 244.4
  Bottom Layer w15: J9.4@2952.76,190.94 3012.01,190.94 3036.02,214.96 3073.43,214.96 C39.2@3075.39,216.93 3177.17,216.93 R31.2@3183.66,210.44
TEMP_IN_CS: R21.2 U4.14 | length 125
  Top Layer w8: U4.14@1746.06,1147.64 1746.06,1185.24 1765.55,1204.72 1765.55,1252.56 R21.2@1774.02,1261.02
TEMP_IN_OT: R22.2 U4.18 | length 124.2
  Top Layer w8: R22.2@1641.93,1261.02 1648.03,1254.92 1648.03,1207.28 1667.72,1187.6 1667.72,1148.03 U4.18@1667.32,1147.64
TEMP_IN_SCLK: R19.2 U4.15 | length 115
  Top Layer w8: U4.15@1726.38,1147.64 1726.38,1257.09 R19.2@1730.32,1261.02
TEMP_IN_SIO: R20.2 U4.17 | length 113.2
  Top Layer w8: R20.2@1686.02,1260.43 1687.01,1259.45 U4.17@1687.01,1147.64
TEMPERATURE_ADC: J8.4 U4.41 | length 1781.4
  Top Layer w8: U4.41@1627.95,812.99 1628.24,813.28 1628.24,843.2 1690.79,905.74 1714.21,905.74 v1(1714.6,906.14) ; v1(2610.43,841.54) 2641.73,810.24 2641.73,318.27 2676.01,283.99 2701.41,283.99 J8.4@2708.92,276.48
  Bottom Layer w8: v1(1714.6,906.14) 1714.6,867.88 1828.94,753.54 2125.98,753.54 2213.98,841.54 v1(2610.43,841.54)
USB_N: R10.2 U5.1 U5.6 USB1.2 | length 1969.5
  Top Layer w14.7: v1(1247.05,961.81) 1249.46,961.81 1253.92,957.35 1299.59,957.35 1312.24,970 R10.2@1315.74,970 ; USB1.2@2048.62,179.13 2049.15,179.66 2049.15,223.36 2065.81,240.16 ; 2065.81,240.03 2065.81,281.95 U5.6@2070.28,286.42 U5.1@2070.28,378.94 2070.28,418.94 2045.22,443.99 2045.22,567.37 2053.83,575.98 2123.44,575.98 2127.9,571.52 v1(2130.32,571.52)
  Bottom Layer w14.7: v1(1247.05,961.81) 1244.63,961.81 1240.17,957.35 1154.31,957.35 1123.14,926.17 1123.14,750.68 1175.98,697.83 1208.59,665.23 1341.7,665.23 1620.71,665.23 1709.95,575.98 2125.85,575.98 v1(2130.32,571.52)
USB_P: R11.2 U5.3 U5.4 USB1.3 | length 1969.5
  Top Layer w14.7: v1(1247.05,928.19) 1249.46,928.19 1253.92,932.65 1299.59,932.65 1312.24,920 R11.2@1315.74,920 ; USB1.3@2023.03,179.13 2022.51,179.66 2022.51,208.81 2013.38,217.93 2013.22,217.93 1995.47,235.68 U5.3@1995.47,378.94 1995.47,418.94 2020.53,443.99 2020.53,577.6 2043.6,600.68 2123.44,600.68 2127.9,605.14 v1(2130.32,605.14)
  Bottom Layer w14.7: v1(1247.05,928.19) 1244.63,928.19 1240.17,932.65 1164.54,932.65 1147.83,915.94 1147.83,760.91 1175.69,733.06 1183.04,725.71 1218.82,689.93 1255.56,689.93 ccw(c1255.56,704.62) 1270.26,704.62 1270.26,708.42 cw(c1282.61,708.42) 1294.96,708.42 1294.96,704.62 ccw(c1309.65,704.62) 1309.65,689.93 1341.7,689.93 1630.94,689.93 1720.18,600.68 2125.85,600.68 v1(2130.32,605.14)
WIFI_EN: R8.1 R14.2 | length 1330.8
  Top Layer w10: R8.1@707.99,91.54 707.99,137.3 722.05,151.36 v1(722.05,155.05) ; v1(1139.73,382.9) 1138.52,384.12 1138.52,906.63 1253.94,1022.05 1314.17,1022.05 R14.2@1315.35,1020.87
  Bottom Layer w10: v1(722.05,155.05) 911.87,155.05 v1(1139.73,382.9)
WIFI_OUT: Q3.3 R9.2 U3.3
WIFI_RXD: U3.34 U4.12 | length 3838.3
  Top Layer w8: U4.12@1824.8,1088.58 1826.71,1090.49 1853.68,1090.49 1858.37,1095.17 1858.37,1194 1920.28,1255.91 1940.79,1255.91 v1(1941.93,1254.76)
  Top Layer w10: U3.34@544.09,917.32 548.43,921.65 v1(548.43,989.17)
  Bottom Layer w10: v1(548.43,989.17) 451.38,989.17 410.83,1029.72 410.83,1470.08 447.24,1506.5 808.66,1506.5 1231.89,1929.72 2189.76,1929.72 2291.34,1828.15 2291.34,1443.7 2102.4,1254.76 v1(1941.93,1254.76)
WIFI_TXD: U3.35 U4.13 | length 3617.3
  Top Layer w8: U3.35@493.6,917.82 U3.35@494.09,917.32 ; U4.13@1766.54,1148.43 1766.67,1148.56 1766.67,1177.21 1774.89,1185.43 1804.72,1185.43 1907.68,1288.39 v1(1941.93,1288.39)
  Top Layer w10: U3.35@493.6,917.82 493.6,989.67 531.24,1027.3 546.28,1027.3 v1(547.71,1028.74) ; U4.13@1765.75,1147.64 U4.13@1766.54,1148.43
  Bottom Layer w10: v1(547.71,1028.74) 482.07,1028.74 448.62,1062.19 448.62,1444.49 474.02,1469.88 844.49,1469.88 1262.4,1887.8 2163.98,1887.8 2240.35,1811.42 2240.35,1460.04 2068.7,1288.39 v1(1941.93,1288.39)
pads on no net: BT1. J5. J6. J8.6 J9.6 RL1.1 RL2.1 SW1. SW1.3 U2.2 U2.3 U2.5 U3.4 U3.5 U3.6 U3.7 U3.8 U3.9 U3.10 U3.11 U3.12 U3.13 U3.14 U3.16 U3.17 U3.18 U3.19 U3.20 U3.21 U3.22 U3.23 U3.24 U3.25 U3.26 U3.27 U3.28 U3.29 U3.30 U3.31 U3.32 U3.33 U3.36 U3.37 U4.1 U4.2 U4.5 U4.6 U4.10 U4.11 U4.16 U4.19 U4.20 U4.26 U4.29 U4.30 U4.31 U4.45 U4.46 U6.7 U7.6 U7.7 U9.11 USB1. USB1.4